# KiCad board data-center-rdimm-ddr5-tester.kicad_pcb (continued)
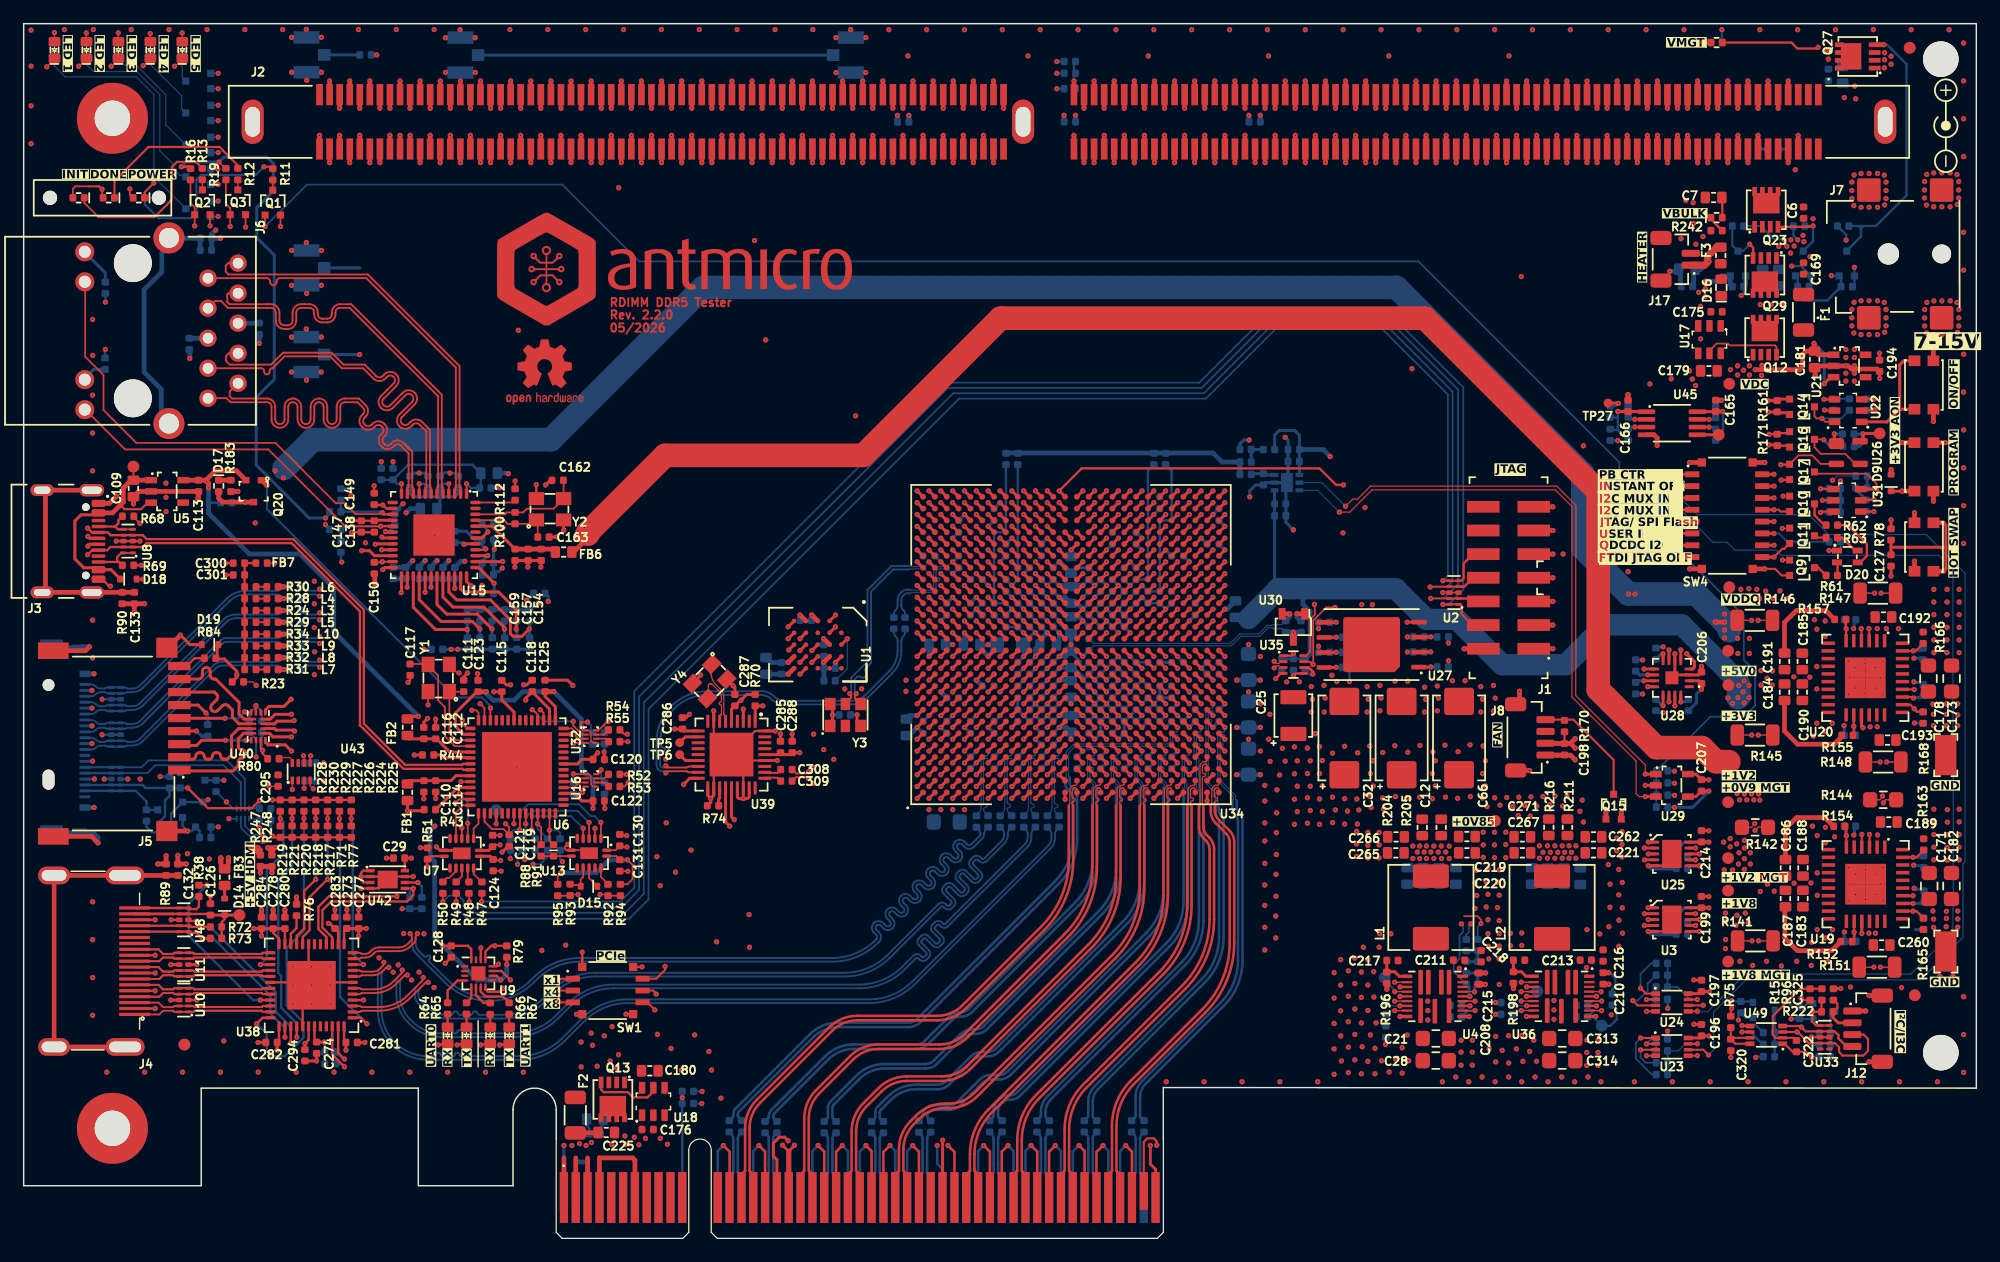
[diagram p0: board, top side]
## Routing (per net, layer and track width the routed paths; a pad name or vN(x,y) marks a point on that pad's centre or on a via; arc(x,y) is an arc through that point) (continued)
/Supply/DC-DC VCCINT/VREF+: length 0.8
  Bottom w0.15: TP24.1 121.88,25.66 121.88,25.26
/Supply/DC-DC VCCINT/VREF-: length 19.8
  Top w0.1: U36.21 v1(132.91,20.46) ; U4.21 v1(122.21,20.45)
  In4.Cu w0.1: v1(132.91,20.46) 132.91,20.72 131.49,22.14 126.37,22.14 124.72,20.49 122.78,20.49 122.74,20.45 v1(122.21,20.45)
  Bottom w0.15: R202.1 120.84,22.56 120.84,23.14 121.34,23.64 121.34,25.61 TP23.1
  Bottom w0.256: v1(122.21,20.45) 122.13,20.53 122.13,21.26 R202.1
/Supply/DC-DC VCCINT/~{PS}: length 4.4
  Top w0.1: U36.17 v1(132.84,18.76)
  Bottom w0.15: v1(132.84,18.76) 132.84,18.49 TP26.1
  Bottom w0.198: R252.1 134.25,19.7 134.61,19.34 134.61,18.51 134.07,17.97 TP26.1
/Supply/EN1: length 99.1
  Top w0.182: v1(151.84,61.38) 151.91,61.45 152.79,61.45
  In2.Cu w0.114: v1(116.3,20.45) 120.94,20.45 121.8,21.31 122.74,21.31 123.59,20.46 v1(127,20.46)
  In4.Cu w0.1: v1(127,20.46) 127.76,19.69 131.1,19.69 136.67,14.12 153.18,14.12 161.88,22.83 161.88,55.07 161.61,55.35 160.5,55.35 154.47,61.38 v1(151.84,61.38)
  Bottom w0.256: 152.55,61.4 151.86,61.4 v1(151.84,61.38)
/Supply/EN2: length 43.6
  Top w0.182: 152.79,62.4 v1(152,62.4)
  Top w0.256: U19.19 v1(155.32,25.78)
  In2.Cu w0.1: v1(155.32,25.78) 159.22,29.68 159.22,53.77 152.21,60.78 152.21,62.19 v1(152,62.4)
  Bottom w0.256: 152.55,62.4 v1(152,62.4)
/Supply/EN3: length 35
  Top w0.182: v1(151.84,63.38) 151.86,63.35 152.79,63.35
  Top w0.256: v1(155.43,43.17) 155.29,43.31 U20.19
  In2.Cu w0.1: v1(151.84,63.38) 149.69,61.22 147.15,61.22 146.62,60.7 146.62,58.21 150.69,54.14 152.08,54.14 153.38,52.85 153.38,51.6 154.78,50.2 156.52,50.2 158.02,48.7 158.02,44.55 157.25,43.77 156.02,43.77 v1(155.43,43.17)
  Bottom w0.256: 152.55,63.4 151.86,63.4 v1(151.84,63.38)
/Supply/heater: length 6.4
  Top w0.6: F3.2 143.05,83.8 142.3,83.05 142.3,82.55 142.03,82.28 J17.1
  Bottom w0.4: v1(142.4,82.6) 141.73,81.93 C323.2 141.11,81.79 141.11,80.56 C321.2
/Supply/PB_CTRL_OUT: length 18.8
  Top w0.15: v1(152.12,70.94) 152.13,70.93 U22.4
  Top w0.256: SW4.1 v1(140,64.6)
  In2.Cu w0.1: v1(140,64.6) 143.3,64.6 149.63,70.94 v1(152.12,70.94)
  Bottom w0.1: 152.89,70.94 152.92,70.97 152.92,70.99
  Bottom w0.15: 154.27,70.99 152.92,70.99
  Bottom w0.256: v1(152.12,70.94) 152.89,70.94
/Supply/QDCDC2_SCL: length 12.9
  Top w0.177: v1(155.27,51.55) 155.29,51.53 U20.4
  Top w0.256: SW4.10 v1(147.9,58.6)
  In2.Cu w0.1: v1(155.27,51.55) 155.27,52.48 149.76,58 148.5,58 v1(147.9,58.6)
/Supply/SEQ_EN: length 8.3
  Top w0.256: SW4.16 v1(147.9,64.6)
  In4.Cu w0.1: v1(147.9,64.6) 151.8,64.6 152.3,64.1 v1(152.85,64.1)
  Bottom w0.1: v1(152.85,64.1) 153.2,64.45 R206.2
/Supply/~{PB_CTRL_CLR}: length 16.6
  Top w0.15: 152.87,69.04 152.24,69.04 v1(151.95,69.32) 151.5,69.32 151.32,69.5 Q14.3
  Top w0.256: SW4.15 v1(147.9,63.6)
  In2.Cu w0.1: v1(147.9,63.6) 148.3,63.2 148.3,62.38 148.47,62.2 148.85,62.2 151.6,64.95 151.6,68.97 v1(151.95,69.32)
  Bottom w0.15: 154.27,70.02 153.58,69.32 v1(151.95,69.32)
/Supply/~{PB_CTRL_INT}: length 17.5
  Top w0.15: U22.5 152.23,69.98 v1(152.17,70.04)
  Top w0.256: SW4.2 v1(140,63.6)
  In2.Cu w0.1: v1(140,63.6) 140.57,64.17 145.17,64.17 151.03,70.04 v1(152.17,70.04)
  Bottom w0.1: 152.92,70.02 152.91,70.02 152.89,70.04
  Bottom w0.256: v1(152.17,70.04) 152.89,70.04
/Supply/~{PB_CTRL_IN}: length 10
  Top w0.256: 159.77,70.1 158.52,70.1 ; 158.52,70.1 157.46,69.03 U22.1 ; 158.52,70.1 158.52,73.85 158.87,74.2 159.77,74.2
DAC_VREF: length 2
  Bottom w0.256: U12.6 104.86,64.55 C332.2 103.79,64.66 R255.1
FAN_PWM: length 52.8
  Top w0.256: U34.AA14 v1(96.5,51.2)
  Top w0.4: 133.7,35.45 v1(133.7,36)
  In6.Cu w0.1: v1(133.7,36) 133.7,40.8 121.95,52.55 118.15,52.55 116.57,54.13 110.93,54.13 109.61,52.81 108.4,52.81 108.01,52.42 106.64,52.42 106.51,52.55 103.95,52.55 102.1,50.7 101.3,50.7 100.91,51.09 100.91,51.4 100.63,51.68 100.21,51.68 100.03,51.86 100.03,52.5 99.8,52.73 97.3,52.73 96.98,52.41 96.98,51.68 v1(96.5,51.2)
FPGA_POWER_CYCLE: length 62.3
  Top w0.201: v1(147.5,67.98) 147.51,67.99 148.17,67.99 148.25,68.08 149.05,68.08 149.17,68.2
  Top w0.256: U34.AA15 v1(96.5,52.2)
  In6.Cu w0.1: v1(96.5,52.2) 96.45,52.2 96,52.65 96,53.52 96.2,53.72 101.94,53.72 104.59,56.38 130.62,56.38 136.37,62.13 136.37,63.51 140.84,67.98 v1(147.5,67.98)
FPGA_POWER_OFF: length 67.2
  Top w0.256: U34.Y15 v1(95.5,52.2) ; Q14.1 148.29,70.96 148.17,70.84 147.41,70.84 v1(147.4,70.83)
  In6.Cu w0.1: v1(95.5,52.2) 95.5,52.56 95.05,53.01 95.05,54.38 95.35,54.67 102.05,54.67 104.55,57.17 127.45,57.17 133.3,63.02 133.3,67.58 137.07,71.35 146.88,71.35 v1(147.4,70.83)
FTDI_DIS: length 204.8
  Top w0.1: 34.09,32.02 34.12,32.05
  Top w0.177: v1(34.09,31.43) 34.09,32.02
  Top w0.182: 34.12,32.05 34.38,32.31 35.53,32.31
  Top w0.256: SW4.8 v1(140,57.6)
  In4.Cu w0.1: v1(34.09,31.43) 34.86,30.66 43.91,30.66 51.57,23 51.57,19.2 52.78,17.99 103.74,17.99 109.94,24.19 132.74,24.19 134.4,22.54 134.4,19.48 135.4,18.48 135.4,16.58 137.66,14.32 153.09,14.32 160.87,22.1 160.87,53.98 158.27,56.57 147.99,56.57 146.97,57.6 v1(140,57.6)
HDMI_IN_CD: length 72.2
  Top w0.256: U34.F14 v1(80.5,51.2)
  In9.Cu w0.1: v1(80.5,51.2) 80.05,51.65 71.33,51.65 68.76,49.08 68.44,49.08 68.29,48.92 67.91,48.92 67.76,49.07 64.44,49.07 64.29,48.92 53.32,48.92 50.6,46.2 45.6,46.2 45.21,46.59 44.34,46.59 44,46.25 40.45,46.25 40.05,46.65 33.3,46.65 32.65,46 30,46 22.73,38.73 v1(16.92,38.73)
  Bottom w0.201: v1(16.92,38.73) R86.1 Q21.3
HDMI_IN_HPD: length 70.3
  Top w0.256: U34.B12 v1(76.5,48.2)
  In9.Cu w0.1: v1(76.5,48.2) 76.1,48.6 70.38,48.6 67.97,46.2 57.5,46.2 57.1,46.6 52.86,46.6 51.06,44.8 44.5,44.8 43.8,44.1 41,44.1 37.9,41 36.6,41 28.2,32.6 18.64,32.6 v1(16.45,34.79)
  Bottom w0.201: v1(16.45,34.79) 16.45,34.79 Q19.1 R83.2
HDMI_OE: length 80
  Top w0.201: C294.1 23.77,16.47 24.08,16.78 U38.42
  Top w0.256: U34.C12 v1(77.5,48.2)
  In9.Cu w0.1: 23.77,16.58 26.79,19.6 28.7,19.6 29.4,20.3 29.4,20.7 27.9,22.2 27.9,25.9 30.2,28.2 30.2,30.83 35.9,36.53 35.9,38.6 37,39.7 38.7,39.7 42.1,43.1 44.4,43.1 45.4,44.1 51.6,44.1 52.2,44.7 57.5,44.7 58.45,43.75 68.91,43.75 71.86,46.7 77.7,46.7 78,47 78,47.7 v1(77.5,48.2)
  vias: v1(23.77,16.48)
HDMI_OUT_HPD: length 71.9
  Top w0.201: U38.4 v1(28.72,20.15)
  Top w0.256: U34.C13 v1(77.5,49.2)
  In9.Cu w0.1: v1(77.5,49.2) 77,48.7 77,48 76.7,47.7 70,47.7 66.68,44.38 59.62,44.38 59.03,44.97 51.97,44.97 51.47,44.47 44.97,44.47 44,43.5 42,43.5 38.7,40.2 37.1,40.2 35.5,38.6 35.5,36.7 33,34.2 31.6,34.2 29.8,32.4 29.8,28.5 27.5,26.2 27.5,21.46 28.72,20.25
HDMI_REC_CLK_N: length 9.9
  Top w0.256: v1(78.5,57.2) U34.D20
  Bottom w0.1: v1(78.5,57.2) 78.45,57.15 arc(78.06,56.89) 77.61,56.8 77.42,56.8 arc(77.22,56.76) 77.04,56.65 arc(76.93,56.47) 76.89,56.27 76.89,55.05 arc(76.87,54.96) 76.82,54.88 arc(76.74,54.83) 76.65,54.81 75,54.81 arc(74.97,54.81) 74.95,54.83 arc(74.93,54.84) 74.91,54.85
  Bottom w0.16: 74.91,54.85 74.66,54.85 arc(74.4,54.8) 74.18,54.65 74.11,54.58 arc(73.92,54.29) 73.85,53.95 73.85,53.52 arc(73.81,53.31) 73.69,53.13 arc(73.57,52.95) 73.53,52.74 C316.1
  Bottom w0.256: v1(78.5,57.2) 78.5,57.2 arc(78.5,57.2) 78.51,57.2 R35.1
HDMI_REC_CLK_P: length 9.9
  Top w0.256: v1(78.5,56.2) U34.D19
  Bottom w0.1: v1(78.5,56.2) 78.25,56.45 arc(78.08,56.56) 77.89,56.6 77.42,56.6 arc(77.29,56.58) 77.19,56.5 arc(77.11,56.4) 77.09,56.27 77.09,55.99 arc(77.13,55.89) 77.22,55.86 77.27,55.86 arc(77.36,55.82) 77.4,55.72 77.4,55.69 arc(77.36,55.59) 77.27,55.56 77.22,55.56 arc(77.13,55.52) 77.09,55.42 77.09,55.05 arc(77.06,54.88) 76.96,54.74 arc(76.82,54.64) 76.65,54.61 75.06,54.61 arc(75.01,54.6) 74.97,54.57 arc(74.93,54.55) 74.88,54.54
  Bottom w0.16: 74.88,54.54 74.72,54.54 arc(74.52,54.5) 74.36,54.39 74.33,54.36 arc(74.21,54.17) 74.16,53.95 74.16,53.52 arc(74.2,53.31) 74.32,53.13 74.38,53.07 arc(74.45,52.96) 74.48,52.83 C315.1
  Bottom w0.256: v1(78.5,56.2) 78.5,56.2 arc(78.5,56.2) 78.51,56.2 R35.2
Heater_PWM: length 63.5
  Top w0.256: U34.AB16 v1(97.5,53.2)
  In6.Cu w0.1: v1(145.13,79.72) 142.27,76.85 137.65,76.85 131.8,71 v1(131.8,67.01)
  In9.Cu w0.1: v1(97.5,53.2) 98.03,53.73 102.89,53.73 116.17,67.01 v1(131.8,67.01)
  Bottom w0.182: v1(145.13,79.72) 145.34,79.92 R250.2
  Bottom w0.4: R250.2 145.51,80.64 Q28.1
HOT_SWAP_BUTTON: length 84.4
  Top w0.256: 162.43,58.43 162.43,60.3 162.23,60.5 ; 162.43,58.43 157.79,58.43 ; 162.43,58.43 162.43,56.6 v1(162.23,56.4) ; 157.79,58.43 157.79,59.03 ; 157.79,58.43 157.79,57.8 ; U34.AF13 v1(101.5,49.2)
  Top w0.4: v1(162.23,56.4) SW3.3 ; 162.23,60.5 161.38,60.5
  In2.Cu w0.1: v1(101.5,49.2) 103.85,49.2 104.22,49.57 104.8,49.57 105.12,49.25 105.95,49.25 106.4,48.8 108.35,48.8 108.7,49.15 109.82,49.15 111.06,50.39 114.09,50.39 115.2,51.5 115.2,52.55 116.75,54.1 117.4,54.1 117.88,54.57 117.88,55.97 118.85,56.95 131.4,56.95 135.5,61.05 146.35,61.05 147.27,61.97 149.7,61.97 151.47,63.75 152.2,63.75 159.55,56.4 v1(162.23,56.4)
HOT_SWAP_GREEN: length 58.9
  Top w0.1: v1(148.68,62.75) Q10.1
  Top w0.256: U34.AE13 v1(100.5,49.2)
  In2.Cu w0.1: v1(100.5,49.2) 100.88,49.57 101.66,49.57 101.78,49.45 103.65,49.45 104.03,49.83 104.94,49.83 105.25,49.53 106.07,49.53 106.55,49.05 108.2,49.05 108.55,49.4 109.6,49.4 110.08,49.88 110.08,50.68 110.7,51.3 114.2,51.3 114.7,51.8 114.7,52.9 116.5,54.7 116.9,54.7 117.38,55.17 117.38,56.17 118.55,57.35 131.15,57.35 135.2,61.4 137.94,61.4 139.64,63.1 144.97,63.1 145.85,63.97 148.06,63.97 148.68,63.36 v1(148.68,62.75)
HOT_SWAP_RED: length 53
  Top w0.1: v1(148.6,60.02) 149.2,60.02 Q11.1
  Top w0.256: U34.AF15 v1(101.5,52.2)
  In6.Cu w0.1: v1(148.6,60.02) 147.45,60.02 140.63,53.2 118.97,53.2 117.34,54.83 104.71,54.83 102.08,52.2 v1(101.5,52.2)
HOT_SWAP_YELLOW: length 52.6
  Top w0.177: v1(148.62,57.35) Q9.1
  Top w0.256: v1(101.5,51.2) U34.AF14
  In6.Cu w0.1: v1(148.62,57.35) 148.45,57.35 146.6,55.5 144.01,55.5 141.01,52.5 123.2,52.5 122.81,52.89 118.57,52.89 117,54.46 110.67,54.46 109.4,53.19 103.87,53.19 101.88,51.2 v1(101.5,51.2)
IN1: length 94.3
  Top w0.177: v1(141.92,19.7) 141.92,19.69 U24.6 ; U23.6 141.93,15.94 v1(142.37,15.5)
  Top w0.256: SW4.3 v1(140,62.6)
  In4.Cu w0.15: v1(141.92,19.7) 141.92,15.95 v1(142.37,15.5)
  Bottom w0.1: v1(142.37,15.5) 142.8,15.93 142.8,19.12 145.53,21.85 160.27,21.85 163.87,25.45 163.87,31.65 164.05,31.83 164.05,56.23 160.78,59.5 152.53,59.5 150.84,61.19 141.41,61.19 v1(140,62.6)
  Bottom w0.4: 139.26,62.6 140,62.6 v1(140,62.6)
IN2: length 87.8
  Top w0.177: v1(141.42,15.45) 141.42,15.44 U23.5 ; U24.5 141.42,19.19 v1(141.42,19.2)
  Top w0.256: SW4.4 v1(140,61.6)
  In4.Cu w0.15: v1(141.42,15.45) 140.95,15.92 140.95,16.85 141.62,17.53 141.62,19 v1(141.42,19.2)
  Bottom w0.1: v1(141.42,15.45) 141.45,15.45 ; v1(141.42,19.2) 141.46,19.16 142.29,19.16 145.48,22.35 159.47,22.35 163.02,25.9 163.02,27.84 163.05,27.87 163.05,43.16 163.02,43.19 163.02,56.55 161.82,57.75 148.51,57.75 148.08,58.19 144.59,58.19 143.92,58.85 142.75,58.85 v1(140,61.6)
  Bottom w0.4: 139.31,61.6 v1(140,61.6)
INT_CB: length 17.9
  Top w0.256: U34.A12 v1(75.5,48.2) ; U39.3 v1(60.81,44.75)
  In2.Cu w0.1: v1(75.5,48.2) 74.1,48.2 70.9,45 67.7,45 67.35,44.65 60.91,44.65 v1(60.81,44.75)
LOL: length 29.9
  Top w0.256: U34.A14 v1(75.5,51.2) ; U39.18 56.29,38.9 v1(55.77,38.38)
  In2.Cu w0.1: v1(75.5,51.2) 72.2,51.2 67.2,46.2 58.88,46.2 55.77,43.09 v1(55.77,38.38)
MODE2: length 47.8
  Top w0.256: v1(101.5,48.2) U34.AF12 ; SW4.5 v1(140,60.6)
  In2.Cu w0.1: v1(101.5,48.2) 103.7,48.2 104.05,47.85 106.3,47.85 106.59,48.14 109.39,48.14 110.3,49.05 111.3,49.05 112.2,49.95 114.55,49.95 115.65,51.05 115.65,52.3 116.85,53.5 117.5,53.5 118.43,54.42 118.43,55.62 119.35,56.55 131.65,56.55 135.7,60.6 v1(140,60.6)
  Bottom w0.256: U34.AF12 v1(101.5,48.2)
PCIE.PWRGD: length 60.1
  Top w0.256: U34.A10 v1(75.5,46.2)
  In2.Cu w0.1: v1(75.5,46.2) 73.95,44.65 68,44.65 64.75,41.4 64.75,32.84 52,20.09 52,13.2 53.3,11.9 v1(55.65,11.9)
  Bottom w0.201: J10.A11 55.65,8.43 55.65,10.61 arc(55.65,10.61) 55.65,10.62 55.64,10.63 55.64,11.4
  Bottom w0.256: 55.64,12.43 55.64,11.43 arc(55.64,11.4) 55.66,11.38
PG1: length 58.8
  Top w0.114: v1(115.85,20.05) U4.10 ; v1(126.55,20.06) U36.10
  In2.Cu w0.1: v1(115.85,20.05) 115.4,19.6 115.4,18.85 115.99,18.26 116.99,18.26 117.68,17.57 126.72,17.57 127.6,18.45 128.2,17.85 137.9,17.85 139.67,16.08 142.18,16.08 143.28,17.17 143.28,34.11 139.94,37.45 v1(139.5,37.45)
  In2.Cu w0.114: 127.6,18.45 127.6,19.6 127.14,20.06 v1(126.55,20.06)
  Bottom w0.182: 138.94,37.47 139.47,37.47 v1(139.5,37.45)
PG2: length 31.1
  Top w0.182: 158.78,28.97 v1(159.64,28.97)
  In4.Cu w0.1: v1(159.64,28.97) 159.71,28.97 160.22,29.48 160.22,37.08 159.12,38.19 139.79,38.19 v1(139.5,38.47)
  Bottom w0.182: v1(139.5,38.47) 139.47,38.5 138.94,38.5
PG3: length 29.1
  Top w0.182: v1(159.75,46.4) 159.73,46.42 158.76,46.42
  In4.Cu w0.1: v1(159.75,46.4) 159.2,45.85 159.2,40.38 157.22,38.39 140.16,38.39 139.5,39.05 v1(139.5,39.5)
  Bottom w0.182: v1(139.5,39.5) 139.47,39.52 138.94,39.52
POWER: length 167.2
  Top w0.15: v1(20.4,85.55) 20.4,86.21
  Bottom w0.15: 137.95,36.46 137.95,39.53 142.53,44.1 145.35,44.1 146.3,45.05 146.3,47.95 145.35,48.9 145.35,52.65 140.8,57.2 137.6,57.2 134.82,59.97 134.82,65.62 117.85,82.6 52.01,82.6 45.52,89.09 23.94,89.09 v1(20.4,85.55)
SD_SEL: length 61.2
  Top w0.1: U43.4 24.2,38.28 v1(24.47,38.01)
  Top w0.256: U34.B14 v1(76.5,51.2)
  In2.Cu w0.1: v1(24.47,38.01) 24.47,38.67 25,39.2 26.26,39.2 28.14,41.08 31.88,41.08 33.5,42.7 34.6,42.7 39.19,47.29 49.77,47.29 53,50.52 61.27,50.52 64.1,53.35 71.12,53.35 72.77,51.7 76,51.7 v1(76.5,51.2)
USER_IN: length 45.4
  Top w0.256: U34.AE15 v1(100.5,52.2) ; SW4.6 v1(140,59.6)
  In6.Cu w0.1: v1(140,59.6) 135.49,55.09 119.68,55.09 119.25,55.52 104.6,55.52 101.81,52.73 101.03,52.73 v1(100.5,52.2)
  Bottom w0.1: 139.99,59.61 v1(140,59.6)
  Bottom w0.15: R235.2 139.99,59.61
VDC: length 19.1
  Top w0.256: U21.3 152.69,72.81 152.15,72.27 v1(152.15,72.25)
  Top w0.4: U18.6 52.26,12.87 ; v1(151.29,75.67) 151.29,75.06 151.64,74.71 152.94,74.71 ; v1(146.32,73.44) 150.07,73.44 150.31,73.69 150.31,74.71 150.61,75.01 C181.1
  Bottom w0.182: R249.2 146.8,85.59 147.93,84.46 148.73,84.46 v1(148.76,84.43)
  Bottom w0.198: 149.7,85.44 R238.2 149.55,84.78 v1(149.91,84.42)
  Bottom w0.256: v1(151.29,75.67) 152.15,74.81 v1(152.15,72.25)
  vias: v1(47.1,16.6) v1(47.11,14.5) v1(47.95,17.35) v1(48.06,16.32) v1(48.46,14.55) v1(49.06,17.12) v1(49.56,15) v1(49.72,17.9) v1(50.11,14.4) v1(50.26,15.52) v1(119.88,13.24) v1(121.01,13.64) v1(121.46,16.75) v1(121.46,15.74) v1(121.46,14.64) v1(122.11,13.24) v1(122.41,16.75) v1(122.41,15.74) v1(122.41,14.64) v1(123.24,13.64) v1(124.34,13.24) v1(125.49,13.64) v1(126.59,13.24) v1(127.71,13.64) v1(128.81,13.24) v1(129.96,13.64) v1(131.06,13.24) v1(132.09,16.76) v1(132.09,15.71) v1(132.09,14.61) v1(132.19,13.64) v1(133.03,16.76) v1(133.03,15.71) v1(133.03,14.61) v1(133.28,13.24) v1(144.22,73.45) v1(144.82,73.77) v1(144.82,73) v1(145.32,73.4) v1(145.82,73.77) v1(145.82,73) v1(146.85,72.95) v1(146.88,73.82) v1(148.3,83.87) v1(148.99,83.87) v1(149.33,84.42) v1(149.3,83.3) v1(149.6,83.9) v1(150.35,84.8) v1(150.43,84.27) v1(161.41,54.87) v1(161.41,53.8) v1(161.41,52.73) v1(161.41,51.66) v1(161.41,50.59) v1(161.41,49.52) v1(161.41,36.28) v1(161.41,35.21) v1(161.41,34.14) v1(161.41,33.07) v1(161.41,32) v1(162.52,54.88) v1(162.52,53.8) v1(162.52,52.73) v1(162.52,51.66) v1(162.52,50.6) v1(162.52,49.52) v1(162.55,36.25) v1(162.55,35.19) v1(162.55,34.12) v1(162.55,33.04) v1(162.55,31.97) v1(163.55,54.87) v1(163.55,53.8) v1(163.55,52.73) v1(163.55,51.66) v1(163.55,50.59) v1(163.55,49.52) v1(163.55,36.28) v1(163.55,35.21) v1(163.55,34.14) v1(163.55,33.07) v1(163.55,32)
~{DDR_PRESENCE}: length 112.2
  Top w0.256: v1(99.5,49.2) U34.AD13
  In6.Cu w0.1: v1(99.5,49.2) 99.5,50.4 99.18,50.72 96.31,50.72 96.04,50.99 96.04,51.52 95.81,51.75 95.19,51.75 94.99,51.95 94.99,52.4 94.67,52.72 94.22,52.72 94,52.94 94,54.35 94.47,54.82 94.78,54.82 95.07,55.12 95.07,55.4 95.35,55.67 101.62,55.67 103.82,57.88 107.66,57.88 110.8,61.02 110.8,63.92 124.88,78.01 124.88,94.17 125.3,94.58 125.3,96.55 122.85,99 88.85,99 87.3,97.45 v1(87.3,97.2)
  Bottom w0.198: R27.2 v1(87.3,97.2)
~{FPGA_I3C_EXT_PU}: length 117.1
  Top w0.256: U34.F13 v1(80.5,49.2)
  In2.Cu w0.1: v1(144.89,18.46) 145.64,18.46 145.85,18.25 145.85,15.05 145.2,14.4 135.8,14.4 135.1,15.1 131.65,15.1 131.35,15.4 123.2,15.4 122.95,15.15 118.1,15.15 117.61,15.64 93.06,15.64 83,25.7 73,25.7 70.5,28.2 70.5,37.7 73.5,40.7 79.53,40.7 80,41.17 80,48.7 v1(80.5,49.2)
  Bottom w0.182: Q22.1 145.52,18.65 R223.1 144.89,18.87 v1(144.89,18.46)
~{I3C_EXT_PU}: length 118.6
  Top w0.256: U34.E13 v1(79.5,49.2)
  In2.Cu w0.1: v1(79.5,49.2) 78.95,48.65 78.95,42.12 78.41,41.57 73.38,41.57 70,38.2 70,28.2 73,25.2 82.5,25.2 93.2,14.5 118.5,14.5 118.86,14.14 146.84,14.14 149.35,16.65 v1(149.35,18.55)
  Bottom w0.182: 151.22,18.57 151.22,18.55 150.07,18.55 R232.1 149.37,18.57 v1(149.35,18.55)
~{SI_5319_RST}: length 17.4
  Top w0.256: U39.1 R70.1 v1(62.46,45.02) ; U34.A13 v1(75.5,49.2)
  In2.Cu w0.1: v1(62.46,45.02) 62.74,45.3 70.35,45.3 74.25,49.2 v1(75.5,49.2)
Net-(C132-Pad1): length 31
  Top w0.4: 13.03,30.68 2.58,30.68 2.58,16.18 8.58,16.18
Net-(C133-Pad1): length 20.6
  Top w0.4: 9.35,54.62 9.34,54.61 J3.SH ; 6.02,63.25 1.84,63.25 1.84,54.61 6.02,54.61
Net-(C135-Pad2): length 1.9
  Bottom w0.2: 19.9,77.39 19.91,77.38 ; 18.16,77.32 J6.5
  Bottom w0.4: J6.5 19.9,77.37 C135.2
Net-(C137-Pad2): length 1.6
  Bottom w0.198: 13.99,76.1 C137.2
  Bottom w0.4: J6.6 13.99,76.1
Net-(C234-Pad1): length 21.1
  Bottom w0.4: 14.91,83.55 14.91,84.53 14.93,84.55 12.3,84.55 12.26,84.59 12.26,83.89 11.67,83.3 11.67,81.7 10.17,80.2 10.17,73.25 11.62,71.8 11.62,70.05 12.26,69.41 12.26,68.89
Net-(C264-Pad2): length 2.9
  Bottom w0.256: 121.88,24.3 122.86,24.3 122.86,23.39 121.88,23.39
Net-(C300-Pad2): length 10
  Top w0.201: FB7.2 C300.2 R30.2 R31.2
Net-(C325-Pad2): length 3.7
  Top w0.182: R222.1 152.93,19.15 153.25,19.48 153.25,19.85 152.96,20.14 C325.2 152.91,20.14
  Top w0.256: R222.1 152.88,18.67 153.32,18.22 J12.2
Net-(D1-C): length 18.6
  Top w0.15: 11.02,89.24 10.21,88.44 D1.1 10.23,87.95
  Top w0.182: R11.1 20.89,90.6 v1(20.3,90.6)
  Bottom w0.182: v1(20.3,90.6) 19.61,89.91 15.01,89.91 14.6,89.5 14.6,86.7 14.15,86.25 11.4,86.25 10.25,87.4 10.25,88.47 v1(11,89.22)
Net-(D2-C): length 14.7
  Top w0.15: 6.32,86.35 5.12,87.55 D2.1
  Top w0.182: 6.32,86.35 11.06,86.35 12.53,87.81 12.53,90.59 12.95,91.02 14.54,91.02 R13.1
Net-(D3-C): length 13.7
  Top w0.182: D3.1 7.67,89.39 10.55,92.27 16.55,92.27 16.85,91.97 16.85,91.95 18.1,90.71
Net-(D4-A): length 1.5
  Top w0.1: 13.4,101.19 13.4,101.91
  Bottom w0.1: 13.4,101.1 13.4,101.91
  vias: v1(13.39,101.91)
Net-(D5-A): length 1.5
  Top w0.1: 10.7,101.14 10.7,101.86
  Bottom w0.1: 10.7,101.05 10.7,101.86
  vias: v1(10.69,101.86)
Net-(D6-A): length 1.5
  Top w0.1: 8,101.19 8,101.91
  Bottom w0.1: 8,101.1 8,101.91
  vias: v1(8,101.91)
Net-(D7-A): length 1.5
  Top w0.1: 5.3,101.19 5.3,101.91
  Bottom w0.1: 5.3,101.1 5.3,101.91
  vias: v1(5.3,101.91)
Net-(D8-A): length 1.5
  Top w0.1: v1(2.6,101.95) 2.6,101.95 2.6,101.22
  Bottom w0.1: v1(2.6,101.95) 2.61,101.94 2.61,101.13
Net-(D10-A): length 1
  Top w0.201: 35.82,17.9 35.82,18.95
Net-(D11-A): length 1
  Top w0.201: 37.43,17.9 37.42,17.9 37.42,18.95
Net-(D12-A): length 1
  Top w0.201: 39.42,18.94 39.42,17.9 39.43,17.9
Net-(D13-A): length 1
  Top w0.201: 41.03,17.9 41.02,17.9 41.02,18.95
Net-(D17-A): length 4.8
  Top w0.4: D17.2 16.48,62.57 16.8,62.25 v1(18.71,62.25) 18.72,62.24 Q20.3
  Bottom w0.198: v1(18.71,62.25) 18.66,62.2 R251.1
Net-(D17-C): length 1
  Top w0.4: 16.46,64.1 17.5,64.1
Net-(D20-C_{G}): length 5.1
  Top w0.201: 153.27,60.3 154.15,60.3 155.75,58.7 155.75,57.7 155.2,57.15 D20.3
Net-(D20-C_{R}): length 2.4
  Top w0.201: 154.75,58.15 D20.2 154.75,58.15 153.65,59.25 153.27,59.25
Net-(D20-C_{Y}): length 1.1
  Top w0.201: 153.27,56.05 153.27,57.11 D20.4
Net-(D21-C): length 1.5
  Top w0.201: 143.53,85.2 142.57,86.16 D21.1
Net-(D22-C): length 1.4
  Top w0.201: v1(141.9,101.12) 141.93,101.1 D22.1
  Bottom w0.201: v1(141.9,101.12) 141.93,101.1 R246.2
Net-(J5-CD_SW1): length 2.4
  Top w0.2: J5.9 13.78,48.38 14.44,49.05 15.27,49.05
Net-(J6-LED_G+): length 3.2
  Bottom w0.256: 6.89,80.85 6.89,81.64 5.16,83.38
Net-(J6-LED_Y+): length 2.1
  Bottom w0.256: 5.21,72.64 5.21,72.77 5.91,73.47 6.87,73.47
Net-(J14-Pad1): length 3
  Bottom w0.256: J14.1 R233.2
Net-(J15-Pad1): length 30
  Bottom w0.256: J16.1 J15.1
Net-(L3-Pad2): length 0.9
  Top w0.16: 20.52,53.09 R24.1
Net-(L4-Pad2): length 0.9
  Top w0.16: 20.52,54.09 R28.1
Net-(L5-Pad2): length 0.9
  Top w0.16: 20.52,52.09 R29.1
Net-(L6-Pad2): length 0.9
  Top w0.16: 20.52,55.09 R30.1
Net-(L7-Pad2): length 0.9
  Top w0.16: 20.52,48.09 R31.1
Net-(L8-Pad2): length 0.9
  Top w0.16: 19.64,49.09 20.52,49.09
Net-(L9-Pad2): length 0.9
  Top w0.16: 20.52,50.09 19.64,50.09
Net-(L10-Pad2): length 0.9
  Top w0.16: R34.1 20.52,51.09
Net-(Q1-D): length 0.9
  Top w0.114: R11.2 Q1.3
Net-(Q2-D): length 0.8
  Top w0.1: 15.1,89.3 15.1,89.3
  Top w0.114: 15.1,88.5 15.1,89.3
  Top w0.15: 15.1,89.29 15.1,89.29
Net-(Q3-D): length 0.8
  Top w0.1: 18.1,89.3 18.1,89.3
  Top w0.114: 18.1,88.5 18.1,89.3
  Top w0.15: 18.1,89.29 18.1,89.29
Net-(Q4-D): length 2.2
  Bottom w0.1: 13.41,99.91 13.41,98.15 Q4.3
Net-(Q5-D): length 6.1
  Bottom w0.1: 10.71,100.02 10.71,99.24 13.35,96.6 13.35,95.5 Q5.3
Net-(Q6-D): length 10.5
  Bottom w0.1: Q6.3 12,94.15 12,96.7 9.5,99.2 8.5,99.2 8,99.7 8,100.01
Net-(Q7-D): length 16.3
  Bottom w0.1: Q7.3 13.55,89.91 13.52,89.88 13.21,89.88 12.68,90.41 12.67,90.41 12.67,90.78 11.5,91.95 11.5,96.7 9.56,98.65 5.91,98.65 5.31,99.25 5.31,100.16
Net-(Q8-D): length 21.2
  Bottom w0.1: 2.61,100.16 2.61,99.1 3.5,98.2 9.5,98.2 11,96.7 11,89.75 Q8.3
Net-(Q9-D): length 1.2
  Top w0.201: 152.3,56.05 151.65,56.7 Q9.3
Net-(Q10-D): length 2.3
  Top w0.201: 152.3,60.3 152.16,60.3 151.32,61.14 Q10.3
Net-(Q11-D): length 1
  Top w0.201: 152.3,59.25 151.47,59.25 Q11.3
Net-(Q12-G): length 6.9
  Top w0.15: Q12.4 148.11,75.36 147.97,75.5 144.15,75.5 144,75.65 143.05,75.65 142.45,75.05 U17.5
Net-(Q13-G): length 5.8
  Top w0.201: Q13.4 48.79,12.58 49.02,12.35 51.07,12.35 51.51,11.91 52.71,11.91 53.21,12.41 U18.5
Net-(Q15-D): length 10.1
  Top w0.182: 128.53,43.86 130.94,43.86 134.35,40.45 Q15.3
Net-(Q16-D): length 7.7
  Top w0.15: v1(152.11,67.51) 152.07,67.55 Q16.3 151.32,66.88 151.87,66.33 153.92,66.33 154.77,65.48 U26.3
  Bottom w0.256: 153.71,66.95 152.67,66.95 v1(152.11,67.51)
Net-(Q17-D): length 9.3
  Top w0.15: Q17.3 151.47,64.65 155.72,64.65 156.56,63.81 v1(156.56,63.35)
  Top w0.256: U31.3 156.56,63.35 v1(156.56,63.35)
  Bottom w0.256: v1(156.56,63.35) 155.87,63.35 155.77,63.45 155.77,64.45 R206.1
Net-(Q17-G): length 5.3
  Top w0.15: U26.2 151.85,65.48 151.12,66.2 149.97,66.2 Q17.1
  Top w0.201: v1(148.48,65.42) 149.14,65.42 149.22,65.5
Net-(Q18-G): length 4.7
  Bottom w0.201: Q19.3 15.16,36.88 Q18.1 12.46,35.91 R82.1
  vias: v1(15.58,37.09)
Net-(Q22-D): length 3.9
  Bottom w0.182: Q22.3 147.96,19.28 147.96,15.36
Net-(Q23-G): length 6.3
  Top w0.198: Q23.4 151.12,85.52 v1(151.2,85.6)
  Bottom w0.198: 150.38,83.47 151.2,84.3 v1(151.2,85.6) 151.19,85.59 R238.1 150.38,85.45
Net-(Q24-D): length 4
  Bottom w0.182: Q24.3 152.68,18.81 C324.2
Net-(Q24-S): length 11.5
  Top w0.182: 151.91,21.14 R96.1 R15.1 150.1,21.1 v1(149.1,20.1) 147.8,18.8 147.8,17.2 148.05,16.95 149.58,16.95 149.8,16.73
  Bottom w0.182: v1(149.1,20.1) 149.1,19.93 149.5,19.53 R232.2 150.38,19.53 150.7,19.85 Q24.2
Net-(Q26-D): length 23.9
  Top w0.4: Q27.4 v1(157.2,100.92)
  Bottom w0.198: 155.5,85.59 155.44,85.59 155.25,85.4 ; 155.5,85.59 156.51,85.59 159.1,88.17 159.1,99.27 157.45,100.92 v1(157.2,100.92) ; 155.5,85.59 155.25,85.59 ; 155.25,85.4 155.25,84.7 154.05,83.5 154.05,83.47 ; 155.25,85.4 155.25,85.59 ; 155.25,85.4 155.06,85.59 155,85.59 ; 155,85.59 R244.1 154.05,85.41 ; 155,85.59 155.25,85.59
Net-(Q28-D): length 4.8
  Top w0.201: v1(145.85,84.05) 146.14,83.76 Q29.4
  Bottom w0.182: R249.1 144.38,83.95 144.86,83.47 145.28,83.47 v1(145.85,84.05)
Net-(R87-Pad1): length 6
  Top w0.256: SW4.11 v1(147.9,59.6)
  Bottom w0.15: R87.1 149.03,58.9 148.32,59.6 v1(147.9,59.6)
  Bottom w0.182: 147.89,59.61 v1(147.9,59.6)
Net-(R126-Pad1): length 1.7
  Top w0.15: 134.72,70.62 v1(134.75,70.59)
  Top w0.256: TP27.1 134.72,70.62
  Bottom w0.198: v1(134.75,70.59) 134.53,70.38 134.05,70.38
Net-(R253-Pad1): length 2.1
  Bottom w0.256: R253.1 R254.2 R256.1
Net-(U3-ADDRSEL): length 2
  Top w0.256: U3.6 v1(141.6,25.95)
  Bottom w0.256: v1(141.6,25.95) 140.83,25.95 R208.2
Net-(U3-~{ALERT}): length 1.4
  Top w0.256: U3.7 v1(141.27,26.45)
  Bottom w0.256: v1(141.27,26.45) 140.87,26.45 R143.1
Net-(U4-ADDR): length 2.4
  Top w0.114: v1(122.64,19.25) 121.6,19.25
  Bottom w0.201: v1(122.64,19.25) 122.61,19.22 122,19.22 R197.2